# Altium PCB PIR_Sensor.PcbDoc
Units mm, origin at the board's own origin, x right, y up, seen from the top; angles counter-clockwise.
Board outline 56.57 x 57.02 mm, 2 copper layers (Top Layer, Bottom Layer); 69 components, 37 nets, 174 pads, 69 vias.
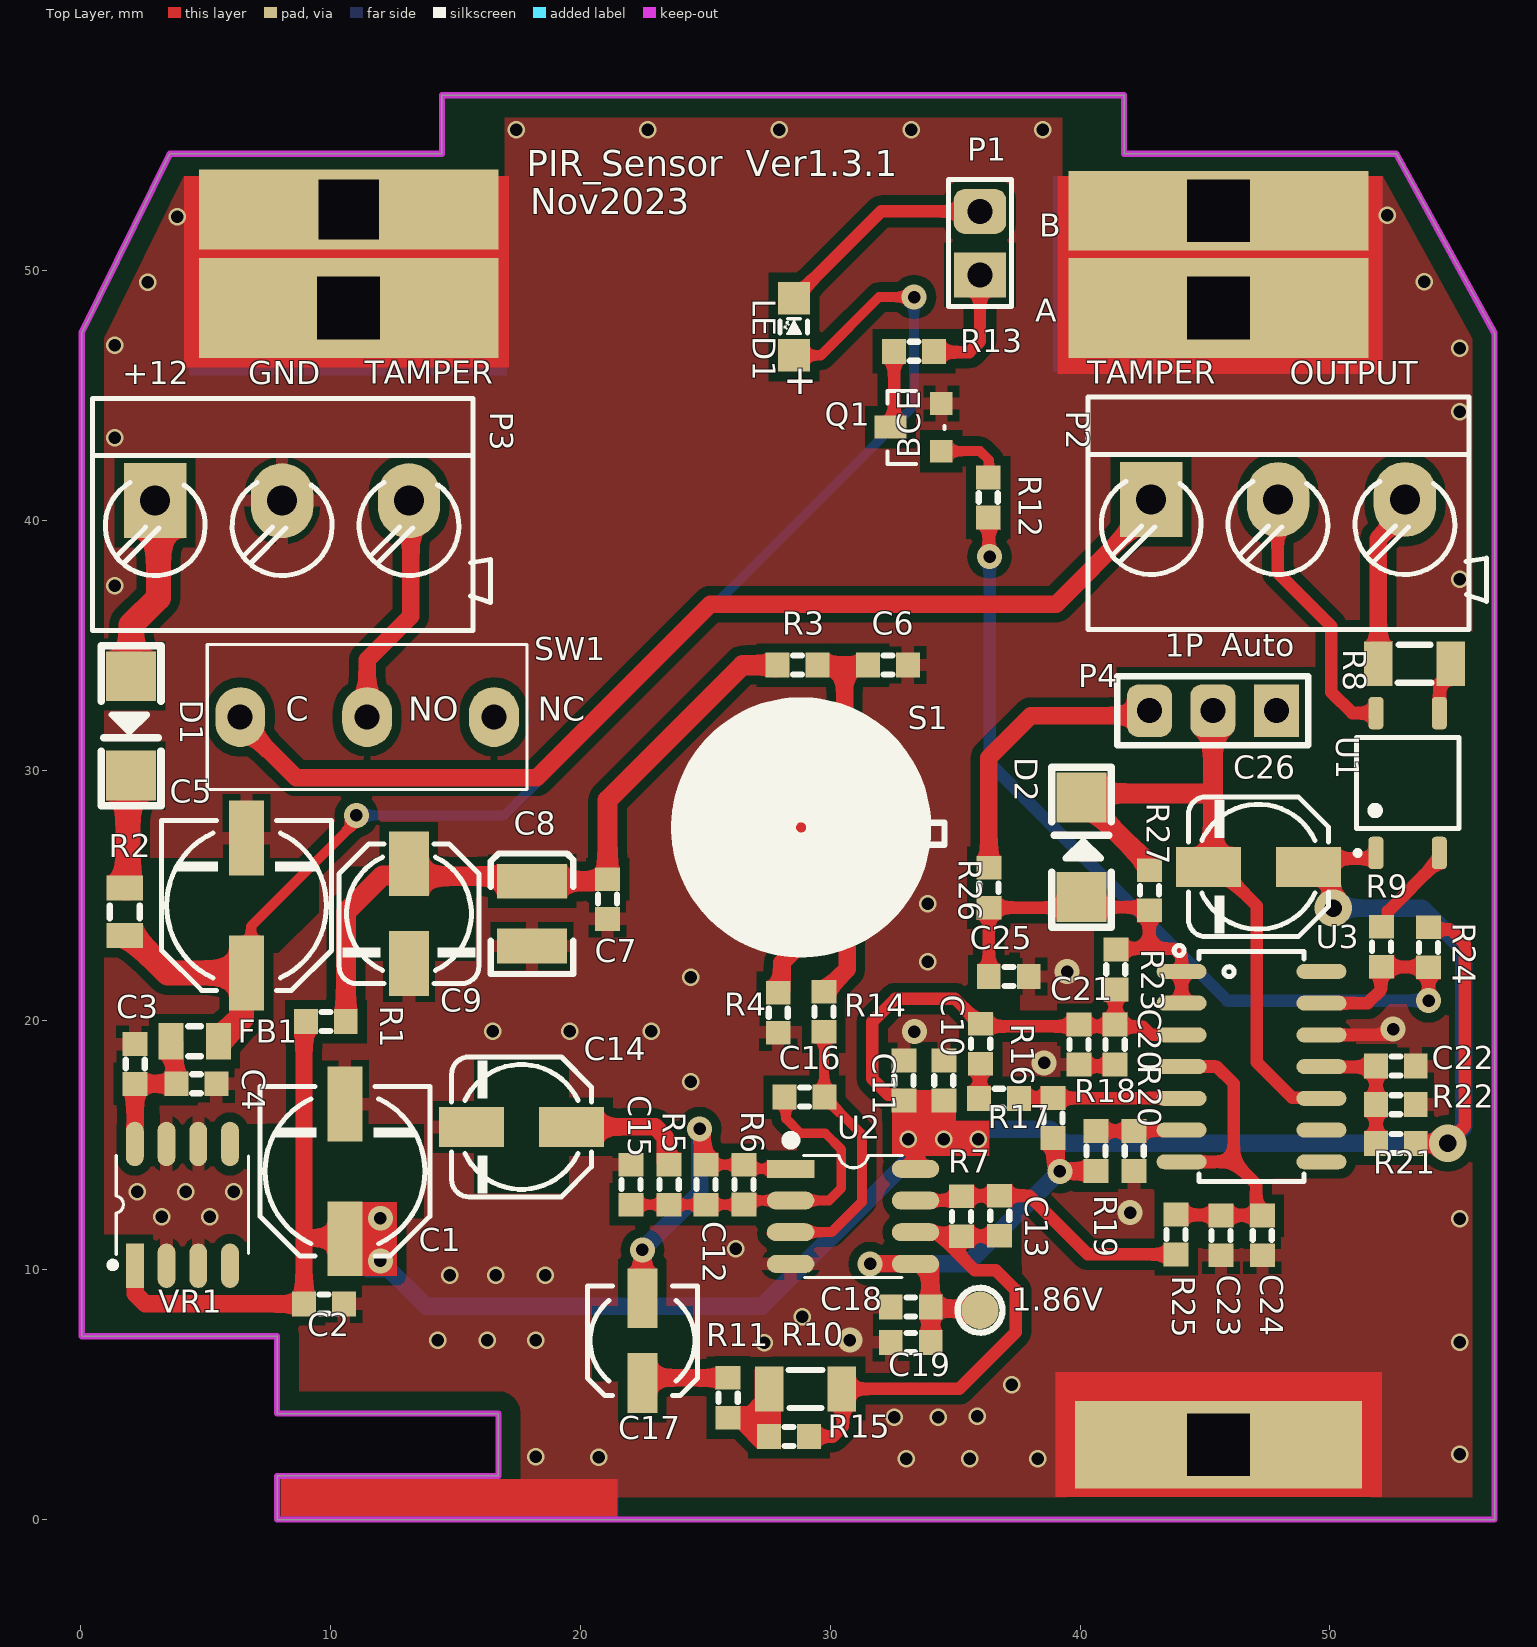
[diagram p0: Top Layer view]
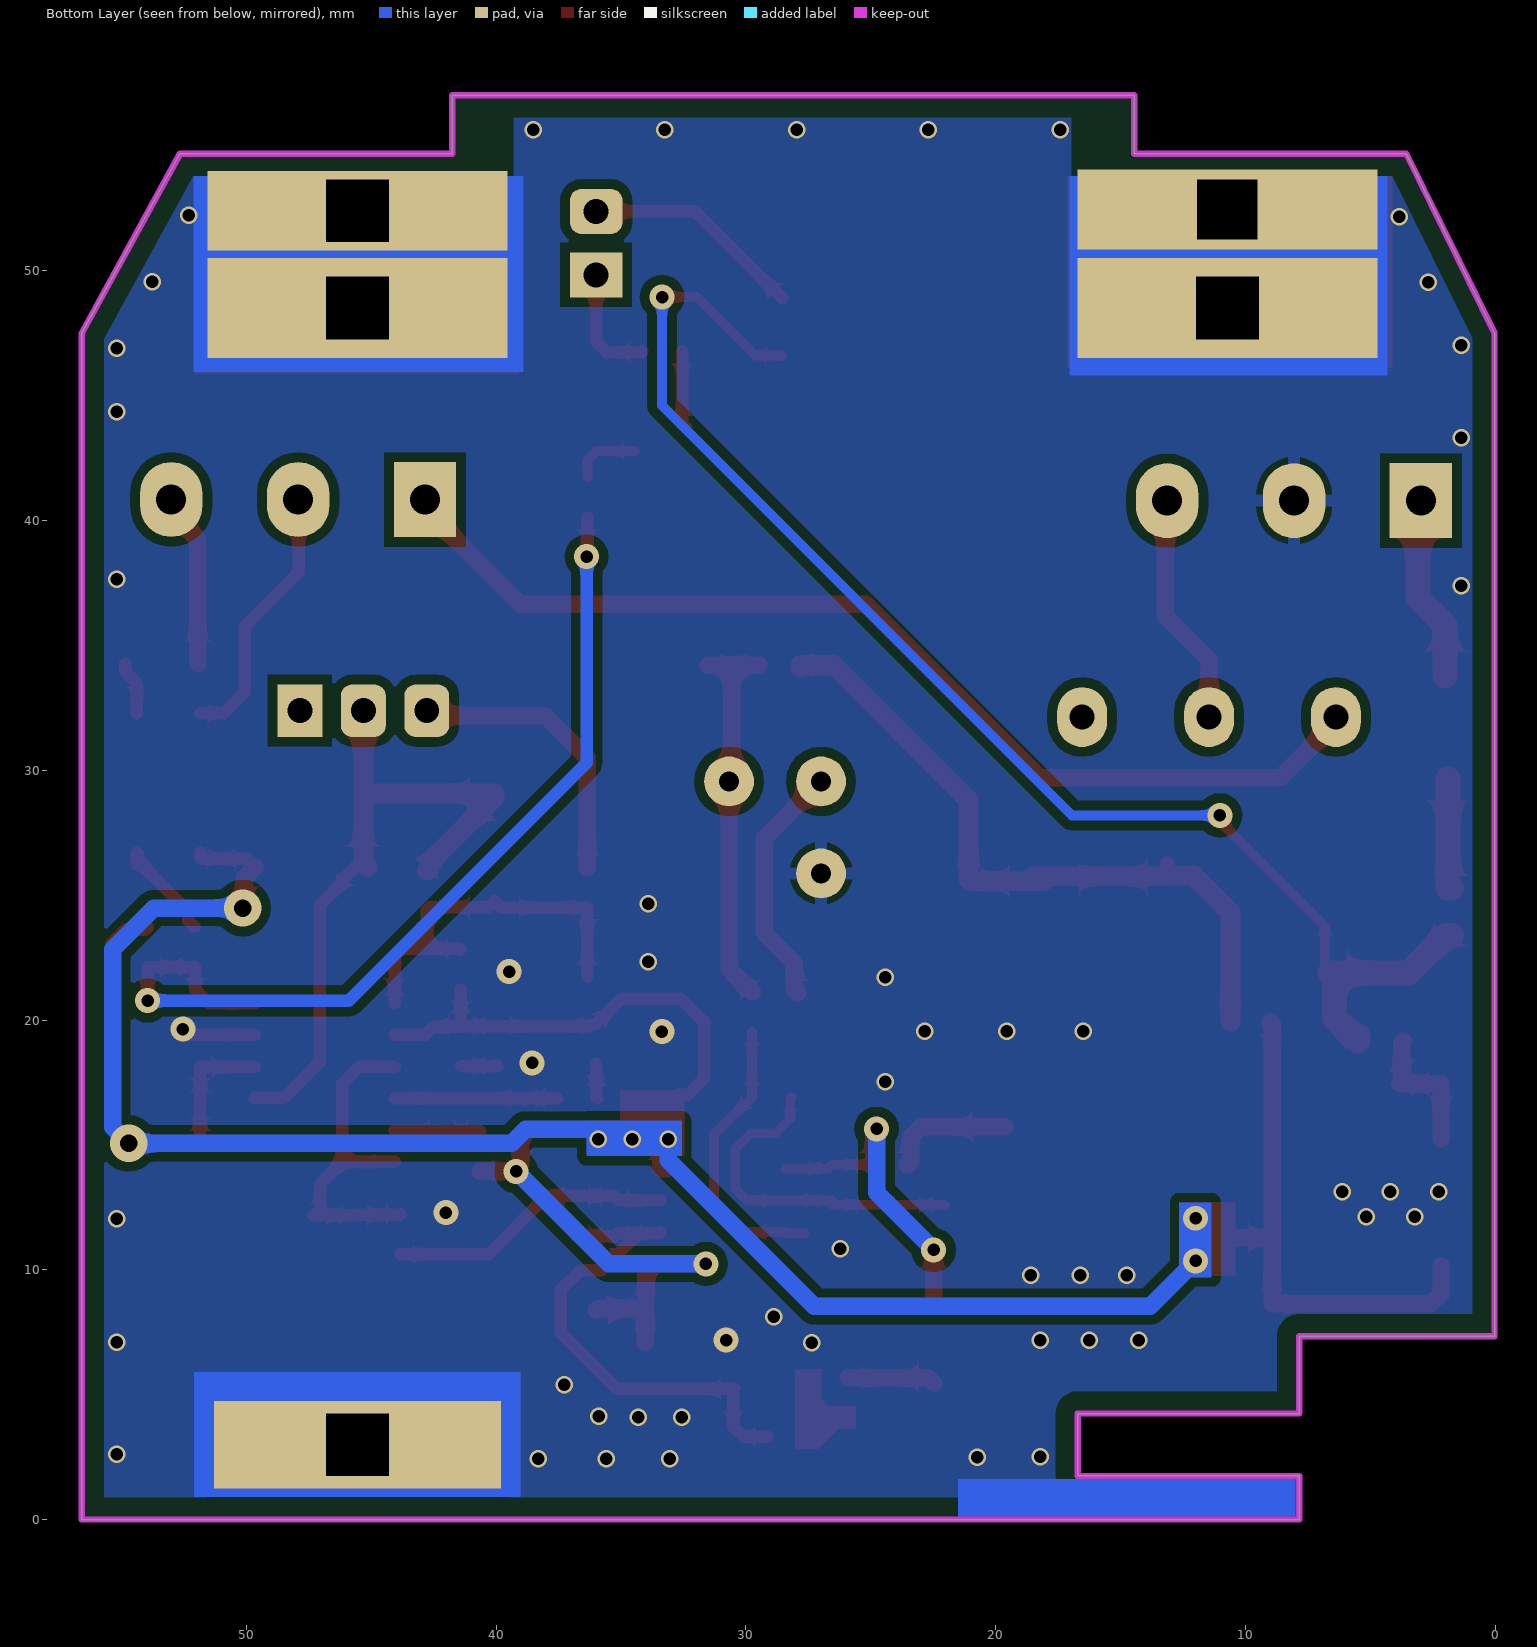
[diagram p1: Bottom Layer view, seen from below]
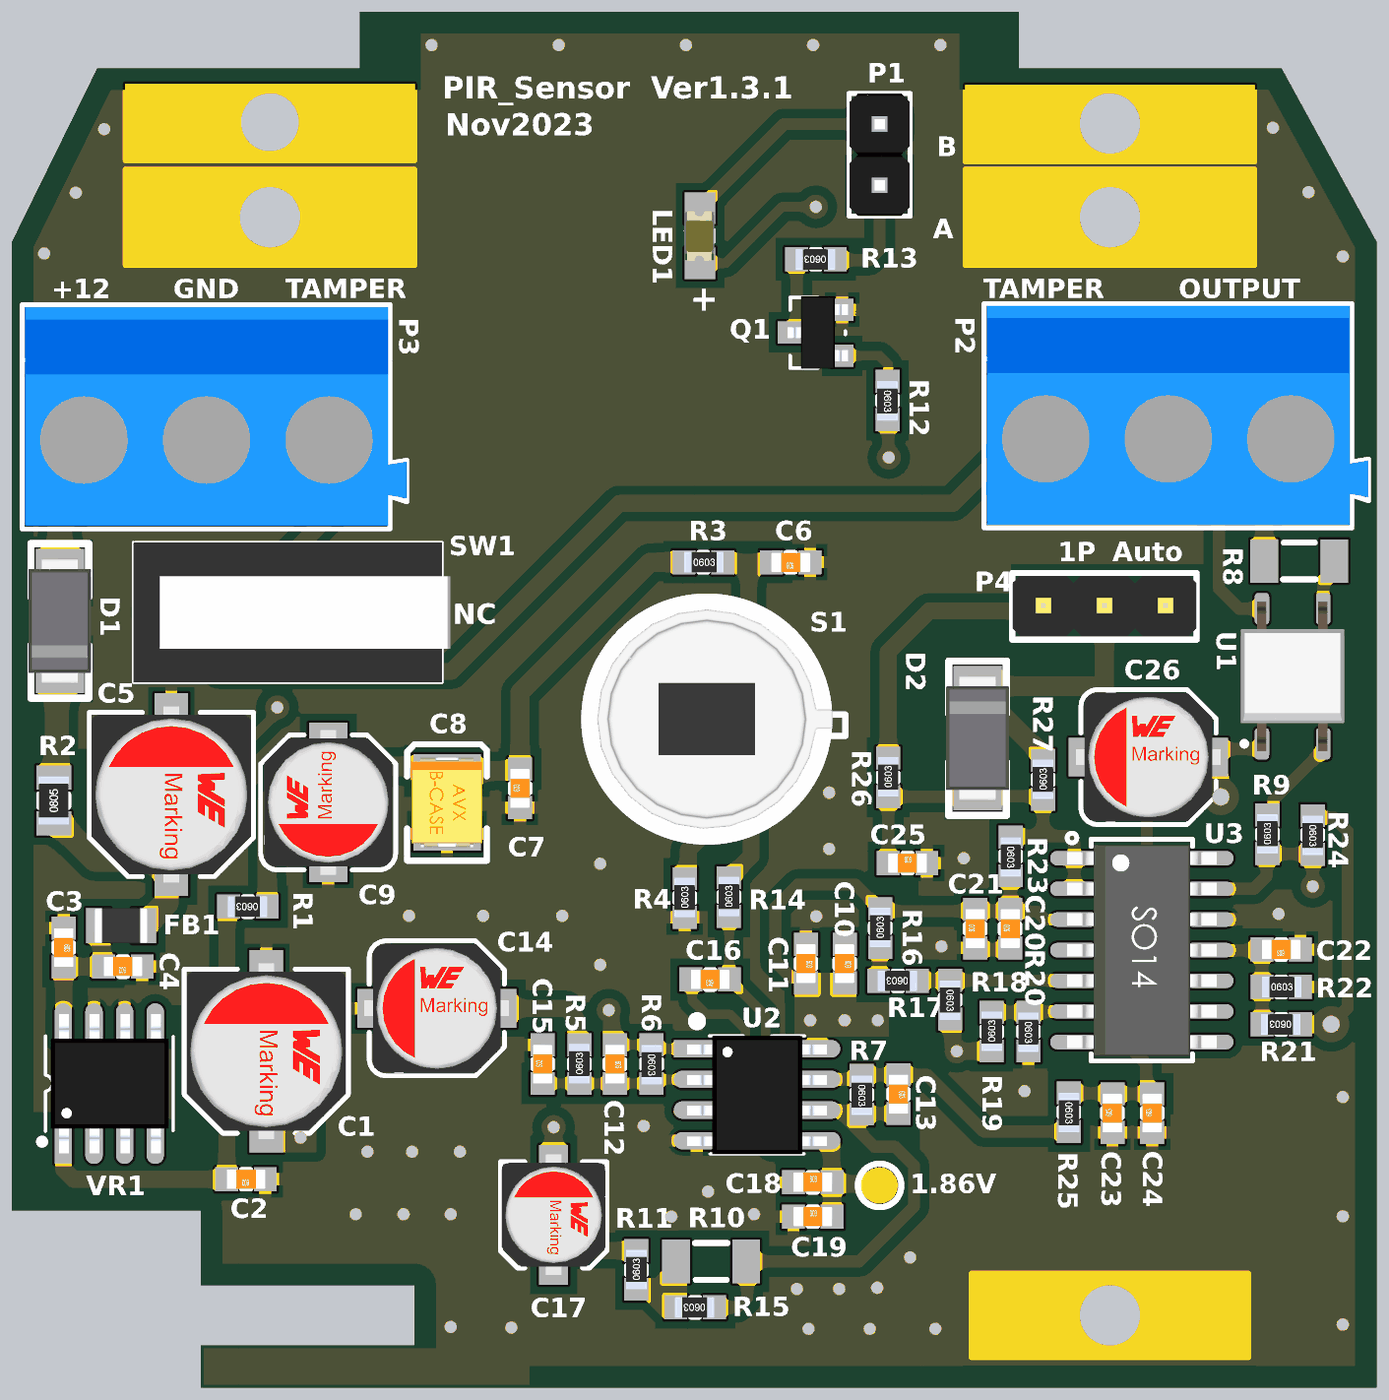
[diagram p2: 3D render of the assembled board from above, using the file's embedded part models]

## Layer stack, top to bottom
Top Solder: solder mask 0.0102, Solder Resist, Dk 3.5
Top Layer: signal copper 0.0356
Dielectric 1: dielectric 0.32, FR-4, Dk 4.8
Bottom Layer: signal copper 0.0356
Bottom Solder: solder mask 0.0102, Solder Resist, Dk 3.5

## Board outline
7.849,0.004 7.849,1.747 16.713,1.747 16.713,4.247 7.849,4.247 7.849,7.341 0.025,7.341 0.025,47.498 3.56,54.686 14.453,54.686 14.453,57.023 41.758,57.023 41.758,54.686 52.654,54.686 56.591,47.498 56.591,0.004

## Design rules (kind name [scope] priority, off if disabled: settings)
Clearance Clearance_1 [OnLayer('Keep-Out Layer')] p1: gap=0.762 ignorepadtopadclearanceinfootprint=FALSE except(0: Arc-Hole Track-Hole SMDPad-Hole THPad-Hole Via-Hole Fill-Hole Poly-Hole Region-Hole Text-Hole)
Clearance Clearance_2 [All] p2: gap=0.254 ignorepadtopadclearanceinfootprint=FALSE except(0: Arc-Hole Track-Hole SMDPad-Hole THPad-Hole Via-Hole Fill-Hole Poly-Hole Region-Hole Text-Hole; 0.381: Arc-Poly Arc-Region Track-Poly Track-Region SMDPad-Poly SMDPad-Region THPad-Poly THPad-Region Via-Poly Via-Region Fill-Poly Fill-Region Poly-Poly Poly-Region Region-Region)
HoleSize [All] p1: absolutevalues=TRUE maxlimit=12 minlimit=0.025 maxpercent=80.000 minpercent=20.000
MinimumSolderMaskSliver [All] p1: minsoldermaskwidth=0
PolygonConnect [All] p1: thpad.connectstyle=Relief thpad.reliefconductorwidth=0.5 thpad.reliefentries=4 thpad.polygonreliefangle="90 Angle" thpad.airgapwidth=0.254 smdpad.connectstyle=Relief smdpad.reliefconductorwidth=0.5 smdpad.reliefentries=4 smdpad.polygonreliefangle="90 Angle" smdpad.airgapwidth=0.254 via.connectstyle=Direct via.reliefconductorwidth=0.254 via.reliefentries=4 via.polygonreliefangle="45 Angle" via.airgapwidth=0.254
RoutingVias [All] p1: holewidth=0.711 width=1.27 viastyle="Through Hole" minholewidth=0.5 minwidth=0.7 maxholewidth=0.711 maxwidth=2.54
ShortCircuit [All] p1: allowed=TRUE
SilkToSilkClearance [All] p1: silktosilkclearance=0
SilkToSolderMaskClearance [IsPad] p1: minsilkscreentomaskgap=0 clearancetoexposedcopper=TRUE
SolderMaskExpansion [All] p1: expansion=0.102 istentingtop=FALSE
Width [All] p1: maxlimit=1 minlimit=0.254 preferedwidth=0.254
25 further rules are at their usual default settings.

## Components (designator, comment, footprint, x,y, rotation, side; value= is the part's Value field where it differs from the comment)
1.86V "TESTPOINT_SMD" TPSMD_C1 35.992,8.382 r90 top net-tie value=VALUE
C1 "100UF_6.3X5.4MM_10V_SMD" CAP_EL_SMD_6X8 10.566,13.945 r90 top value=100UF_10V_5*5.8
C2 "100NF_0603_50V" Cap_0603_Nominal 9.728,8.636 r180 top value=100nF_0603_50V
C3 "220PF_0603_50V" Cap_0603_Nominal 2.168,18.241 r270 top value=100nF_0603_50V
C4 "100NF_0603_50V" Cap_0603_Nominal 4.623,17.45 r180 top value=100nF_0603_50V
C5 "100UF_6.3X7.7MM_25V_SMD" CAP_EL_SMD_6X8 6.629,24.587 r90 top value=100UF_25V_5*5.8
C6 "100PF_0603_50V" Cap_0603_Nominal 32.309,34.214 r180 top
C7 "470PF_0603_50V" Cap_0603_Nominal 21.082,24.841 r90 top
C8 "22UF_1210(B)_16V" Cap_Tantal(3528)_B 18.059,24.257 r90 top value=22UF_16V_B
C9 "22UF_5.0X5.4MM_10V_SMD" CAP_EL_SMD_5 13.132,24.257 r270 top value=22UF_10V_5*5.8
C10 "220PF_0603_50V" Cap_0603_Nominal 34.544,17.577 r270 top value=100PF_0603_50V
C11 "120NF_0603_16V" Cap_0603_Nominal 32.944,17.577 r270 top value=100PF_0603_50V
C12 "33NF_0603_50V" Cap_0603_Nominal 25.019,13.411 r270 top value=100PF_0603_50V
C13 "33NF_0603_50V" Cap_0603_Nominal 36.779,12.167 r270 top value=100PF_0603_50V
C14 "22UF_5.0X5.4MM_10V_SMD" CAP_EL_SMD_5 17.634,15.723 r180 top value=22UF_10V_5*5.8
C15 "100PF_0603_50V" Cap_0603_Nominal 22.022,13.411 r90 top
C16 "100PF_0603_50V" Cap_0603_Nominal 28.969,16.916 r180 top
C17 "10UF_4.0X5.4MM_16V_SMD" CAP_EL_SMD_4 22.479,7.163 r90 top value=22UF_10V_5*5.8
C18 "220PF_0603_50V" Cap_0603_Nominal 33.223,8.509 r0 top value=100PF_0603_50V
C19 "120NF_0603_16V" Cap_0603_Nominal 33.223,7.087 r0 top value=100PF_0603_50V
C20 "220PF_0603_50V" Cap_0603_Nominal 41.402,19.025 r90 top value=100PF_0603_50V
C21 "120NF_0603_16V" Cap_0603_Nominal 39.954,19.025 r90 top value=100PF_0603_50V
C22 "220PF_0603_50V" Cap_0603_Nominal 52.641,18.161 r180 top value=100PF_0603_50V
C23 "10NF_0603_50V" Cap_0603_Nominal 45.644,11.379 r90 top value=100PF_0603_50V
C24 "220PF_0603_50V" Cap_0603_Nominal 47.295,11.379 r90 top value=100PF_0603_50V
C25 "220PF_0603_50V" Cap_0603_Nominal 37.148,21.742 r0 top value=100PF_0603_50V
C26 "22UF_5.0X5.4MM_10V_SMD" CAP_EL_SMD_5 47.136,26.137 r180 top value=22UF_10V_5*5.8
D1 "B350A_SMA" DIODE_SMA 2.007,31.775 r270 top
D2 "B350A_SMA" DIODE_SMA 40.056,26.924 r90 top
FB1 "CBG201209U050_0805" INDUCTOR_0805_Nominal 4.547,19.152 r0 top value=MU1608-221Y
LED1 "RED_0805" LED_0805_NOMINAL 28.52,46.629 r90 top
P1 "CON_HEADER_2.54X11MM_2PIN_MALE" HDR_M_1X2_2.54mm 35.992,51.105 r90 top
P2 "CON_KF301_5.0MM_3PIN" CON_KF301_5MM_3PIN 47.924,40.839 r0 top
P3 "CON_KF301_5.0MM_3PIN" CON_KF301_5MM_3PIN 8.052,40.792 r0 top
P4 "CON_HEADER_2.54X11MM_3PIN_MALE" HDR_M_1X3_2.54mm 45.314,32.385 r180 top value=KF301
Q1 "MMBT3904_SOT23" SOT23_BJT 33.426,43.726 r90 top
R1 "10K_0603" Res_0603_Nominal 9.804,19.939 r180 top value=10k_0603
R2 "0.018K_0805" Res_0805_Nominal 1.753,24.333 r90 top value=18_0603
R3 "10K_0603" Res_0603_Nominal 28.689,34.214 r0 top value=10k_0603
R4 "3.9K_0603" Res_0603_Nominal 27.915,20.295 r90 top
R5 "2.7K_0603" Res_0603_Nominal 23.546,13.411 r90 top value=18_0603
R6 "180K_0603" Res_0603_Nominal 26.543,13.411 r270 top value=18_0603
R7 "2.7M_0603" Res_0603_Nominal 35.255,12.141 r270 top value=18_0603
R8 "0.0051K_1206" Res_1206_NOMINAL 53.391,34.265 r0 top value=18_0603
R9 "1K_0603" Res_0603_Nominal 52.07,22.936 r90 top value=18_0603
R10 "NTC_33K_1206" Res_1206_NOMINAL 29.007,5.232 r180 top value=1K
R11 "3.9K_0603" Res_0603_Nominal 25.908,4.877 r90 top value=18_0603
R12 "22K_0603" Res_0603_Nominal 36.322,40.919 r270 top value=18_0603
R13 "3.3K_0603" Res_0603_Nominal 33.35,46.774 r180 top value=18_0603
R14 "0.499K_0603_1%" Res_0603_Nominal 29.743,20.333 r90 top value=18_0603
R15 "30K_0603" Res_0603_Nominal 28.346,3.327 r180 top value=18_0603
R16 "22K_0603" Res_0603_Nominal 36.017,19.05 r90 top value=18_0603
R17 "22K_0603" Res_0603_Nominal 36.754,16.866 r180 top value=18_0603
R18 "10K_0603" Res_0603_Nominal 38.913,16.078 r270 top value=18_0603
R19 "10K_0603" Res_0603_Nominal 40.64,14.757 r90 top value=18_0603
R20 "22K_0603" Res_0603_Nominal 42.164,14.757 r270 top value=18_0603
R21 "60.4K_0603" Res_0603_Nominal 52.641,15.062 r180 top value=18_0603
R22 "60.4K_0603" Res_0603_Nominal 52.641,16.612 r0 top value=18_0603
R23 "100K_0603" Res_0603_Nominal 41.427,22.022 r270 top value=18_0603
R24 "3.9K_0603" Res_0603_Nominal 53.95,22.911 r270 top value=18_0603
R25 "0.22K_0603" Res_0603_Nominal 43.84,11.417 r270 top value=18_0603
R26 "6.8K_0603" Res_0603_Nominal 36.347,25.298 r90 top value=18_0603
R27 "30K_0603" Res_0603_Nominal 42.774,25.197 r90 top value=18_0603
S1 "RE200BP_TO5" SENSOR_PIR_TO39 28.829,27.711 r270 top
SW1 "KLS7-KW10_12X5.0X6.0MM" SW_KLS7-KW10 11.455,32.131 r0 top
U1 "CPC1017N_SOP4" SOIC254P610X218-4N 53.111,29.489 r90 top
U2 "LM358_SOP8" SOIC8 30.912,12.141 r0 top
U3 "LM339DT_SOP14" SO_14 46.863,18.136 r0 top
VR1 "78L05A_SOP8" SOP8 6.325,10.693 r90 top

## Footprints (in the part's own frame and the unit in brackets; to place one, negate y for a bottom-side part, rotate by r counter-clockwise, add the part's x,y. Pads: shape width x height; smd on the part's side, far side on the other; paste and mask are expansions set on the pad)
Cap_0603_Nominal [mm]
  rect 0.95x1 smd: 1(-0.8,0) 2(0.8,0)
  silkscreen extent -0.17,-0.38 0.17,0.38, body extent -0.8,-0.4 0.8,0.4, height 0.3
CAP_EL_SMD_4 [mm] "Electrolytic Cap, D: 4.3mm, Size B, 5.5mm Height"
  rect 2.4x1.2 smd: 1(-1.7,0) 2(1.7,0)
  Top Layer pour cut-out: 1.397,2.032 1.397,-2.032 -1.651,-2.032 -1.651,2.032
  silkscreen extent -2.2,-2.2 2.2,2.2, body extent -2.5,-2.15 2.5,2.15, height 5.5
CAP_EL_SMD_5 [mm] "Electrolytic Cap, D: 5.0mm, L: 5.8mm, Size C"
  rect 2.6x1.6 smd: 1(-2,0) 2(2,0)
  Top Layer pour cut-out: 1.905,2.667 1.905,-2.7 -1.905,-2.7 -1.905,2.667
  silkscreen extent -2.8,-2.8 2.8,2.8, body extent -3,-2.65 3,2.65
CAP_EL_SMD_6X8 [mm] "Electrolytic Cap, D: 6.3mm L: 7.7mm, Size D"
  rect 3x1.4 smd: 1(-2.7,0) 2(2.7,0)
  Top Layer pour cut-out: 1.905,3.175 1.905,-3.175 -1.905,-3.175 -1.905,3.175
  silkscreen extent -3.4,-3.4 3.4,3.4, body extent -3.65,-3.3 3.65,3.3, height 7.7
Cap_Tantal(3528)_B [mm]
  rect 1.4x2.8 smd: 1(1.3,0) 2(-1.3,0)
  silkscreen extent -2.41,-1.65 2.41,1.65, body extent -1.85,-1.47 1.85,1.46, height 2.03
CON_KF301_5MM_3PIN [mm] "Terminal Block Blue"
  rect 2.5x3 hole 1.2: 1(-5.08,0)
  oval 2.5x3 hole 1.2: 2(0,0) 3(5.08,0)
  silkscreen extent -7.6,-5.2 8.34,4.1, body extent -7.49,-5.07 8.33,4, height 12.78
DIODE_SMA [mm]
  rect 2x2 smd: 1(-1.99,0) 2(1.99,0)
  silkscreen extent -3.21,-1.19 3.19,1.2, body extent -2.6,-1.3 2.6,1.3, height 2.45
HDR_M_1X2_2.54mm [mm]
  rect 1.8x2.1 hole 1: 1(-1.27,0)
  rrect50% 1.8x2.1 hole 1: 2(1.27,0)
  silkscreen extent -2.54,-1.27 2.54,1.27, body extent -2.54,-1.25 2.54,1.25, height 8.55
HDR_M_1X3_2.54mm [mm]
  rect 1.8x2.1 hole 1: 1(-2.54,0)
  rrect50% 1.8x2.1 hole 1: 2(0,0) 3(2.54,0)
  silkscreen extent -3.82,-1.38 3.82,1.38, body extent -3.81,-1.27 3.81,1.22, height 8.59
INDUCTOR_0805_Nominal [mm]
  rect 1x1.45 smd: 1(-0.95,0) 2(0.95,0)
  silkscreen extent -0.25,-0.6 0.25,0.6, body extent -1.1,-0.72 1.1,0.73, height 0.55
LED_0805_NOMINAL [mm]
  rect 1.3x1.27 smd: 1(-0.02,-0.03) 2(2.266,-0.03)
  Top Layer pour cut-out: 0.63,0.595 0.63,-0.655 1.616,-0.655 1.616,0.595
  silkscreen extent 0.84,-0.57 1.45,0.54, body extent 0.09,-0.62 2.11,0.63, height 1.1
Res_0603_Nominal [mm]
  rect 0.95x1 smd: 1(-0.8,0) 2(0.8,0)
  silkscreen extent -0.17,-0.38 0.17,0.38, body extent -0.8,-0.42 0.84,0.43, height 0.26
Res_0805_Nominal [mm]
  rect 1x1.45 smd: 1(-0.95,0) 2(0.95,0)
  silkscreen extent -0.25,-0.6 0.25,0.6, body extent -1,-0.62 1,0.63, height 0.47
Res_1206_NOMINAL [mm]
  rect 1.15x1.8 smd: 1(1.45,0) 2(-1.45,0)
  silkscreen extent -0.67,-0.76 0.67,0.76, body extent -1.6,-0.79 1.6,0.81, height 0.53
SENSOR_PIR_TO39 [mm]
  round 2 hole 0.8 mask+0.102: 1(-1.842,1.841) 2(-1.841,-1.842)
  round 2 hole 0.8: 3(1.842,-1.841)
  silkscreen extent -4.73,-4.47 4.35,5.74, body extent -6.43,-6.43 6.43,6.43, height 4.75
SO_14 [mm] "SOP, SOIC, 3.9mm width, 1.27mm pitch,"
  oval 2x0.6 smd: 1(-2.8,3.81) 2(-2.8,2.54) 3(-2.8,1.27) 4(-2.8,0) 5(-2.8,-1.27) 6(-2.8,-2.54) 7(-2.8,-3.81) 8(2.8,-3.81) 9(2.8,-2.54) 10(2.8,-1.27) 11(2.8,0) 12(2.8,1.27) 13(2.8,2.54) 14(2.8,3.81)
  silkscreen extent -3.09,-4.6 2.1,4.85, body extent -3.1,-4.38 3.1,4.37, height 1.75
SOIC8 [mm]
  rect 1.9x0.72 smd: 1(-2.5,1.905)
  oval 1.9x0.72 smd: 2(-2.5,0.635) 3(-2.5,-0.635) 4(-2.5,-1.905) 5(2.5,-1.905) 6(2.5,-0.635) 7(2.5,0.635) 8(2.5,1.905)
  silkscreen extent -2.51,-2.45 1.98,3.07, body extent -2.89,-2.46 2.89,2.44, height 1.45
SOIC254P610X218-4N [mm]
  rrect50% 1.3x0.6 smd: 1(-2.8,1.27) 2(-2.8,-1.27) 3(2.8,-1.27) 4(2.8,1.27)
  silkscreen extent -2.9,-2.05 1.83,2.1, body extent -3.1,-2.15 3.1,2.15, height 2.18
SOP8 [mm]
  rect 1.78x0.72 smd: 1(-0.53,4.17)
  oval 1.78x0.72 smd: 2(-0.53,2.9) 3(-0.53,1.63) 4(-0.53,0.36) 5(4.347,0.36) 6(4.347,1.63) 7(4.347,2.9) 8(4.347,4.17)
  silkscreen extent -0.62,-0.38 3.88,5.18, body extent -0.98,-0.2 4.8,4.7, height 1.45
SOT23_BJT [mil]
  rect 36x36 smd: 1(-37.5,-40) 2(37.5,-40)
  rect 36x50 smd: 3(0.5,40)
  silkscreen extent -57,-45 58,45, body extent -59,-49 59,49, height 42
SW_KLS7-KW10 [mm]
  oval 2x2.4 hole 1: 1(-5.08,0) 2(5.08,0) 3(0,0)
  silkscreen extent -6.4,-2.9 6.4,2.9, body extent -6.4,-2.9 6.73,2.9, height 11.52
TPSMD_C1 [mm] "Test Point, SMD Pad, Circle, 1mm X 1mm"
  round 1.5 smd paste-1.016 mask+0.025: 1(0,0)
  silkscreen extent -0.9,-0.9 0.9,0.9

## Part data
1.86V: "TEST POINT", MANF=MANF, MANF_P#=MANF_P#
C1 C5 C9 C14 C17 C26: library part Cap_Electrical
C2 C3 C4 C6 C7 C10 C11 C12 C13 C15 C16 C18 C19 C20 C21 C22 C23 C24 C25: library part Cap, "0603"
  C2 C4: Component ID=000400
  C7: Component ID=002055
  C23: Component ID=002440
C8: library part Cap_Electrical, "Tant"
D1 D2: library part Diode, "B350A"
FB1: library part "FERRITE BEAD"
LED1: library part LED, Component ID=000517
P1: library part "Header 2", "Header, 2-Pin", LatestRevisionDate=17-Jul-2002, LatestRevisionNote="Re-released for DXP Platform.", Publisher="Altium Limited"
P2 P3: library part Con_3PIN
P4: library part "Header 3", "Header,3-Pin", LatestRevisionDate=17-Jul-2002, LatestRevisionNote="Re-released for DXP Platform.", Publisher="Altium Limited"
Q1: library part MMBT3904, Component ID=000489
R1 R3 R4 R5 R6 R7 R8 R9 R11 R12 R13 R14 R15 R16 R17 R18 R19 R20 R21 R22 R23 R24 R25 R26 R27: library part RES, "0603", size=0603
  R1 R3 R18 R19: Component ID=000091
  R5: Component ID=000150
  R9: Component ID=000095
  R12 R16 R17 R20: Component ID=000110
  R13: Component ID=000154
  R15: Component ID=000153
  R23: Component ID=003179
  R25: Component ID=000140
R2: library part RES, "0805", size=0805
R10: library part "Res Adj1", "Variable Resistor", LatestRevisionDate=17-Jul-2002, LatestRevisionNote="Re-released for DXP Platform.", PackageDescription="Axial Device, Thru-Hole; 2 Leads; 0.7 in Pin Spacing", PackageReference=AXIAL-0.7, Published=8-Jun-2000, Publisher="Altium Limited", Set Position=0.5
S1: library part PIR_Sensor, Component ID=000635
SW1: library part "Micro switch", "SWITCH SNAP ACTION SPDT 2A 125V", Package=None, Availability=Unavailable, MF=E-Switch, MP=MS0850502F030P1A, PRICE=None, SnapEDA_Link=https://www.snapeda.com/parts/MS0850502F030P1A/E-Switch/view-part/1129959/?ref=snap
U1: library part CPC1017N, "Solid State SPST-NO _1 Form A_ 4-SOP _0.150, 3.81mm_", Package="SOP-4 IXYS", Availability=Unavailable, MF="IXYS Integrated", MP=CPC1017N, PRICE=None, SnapEDA_Link=https://www.snapeda.com/parts/CPC1017N/IXYS%20Integrated%20Circuits%20Division/view-part/345722/?ref=snap
U2: library part LM358, Component ID=001792, LM358=001792
U3: library part LM339DT, "LM339 Series Quad 32 V 250 nA SMT Low Power Voltage Comparator - SOIC-14", Package="SOIC-14 STMicroelectronics", Availability=Unavailable, Component ID=001788, MF=STMicroelectronics, MP=LM339DT, PRICE=None, SnapEDA_Link=https://www.snapeda.com/parts/LM339DT/STMicroelectronics/view-part/11706/?ref=snap
VR1: library part 78L05A, Component ID=001298

## Free pads (board coordinates)
  rect 12x4 hole 2.5 square: 0(10.719,48.514) 0(45.542,48.514)
  rect 12x3.2 hole 2.4 square: 0(10.719,52.451)
  rect 11.5x3.5 hole 2.5 square: 0(45.542,2.997)
  rect 12x3.2 hole 2.5 square: 0(45.542,52.4)

## Via types
v1: diameter 0.7, hole 0.5, Top Layer to Bottom Layer, tented both sides, 51 vias
v2: diameter 1, hole 0.5, Top Layer to Bottom Layer, tented both sides, 16 vias
v3: diameter 1.5, hole 0.7, Top Layer to Bottom Layer, tented both sides, 2 vias

## Nets (pads, with @x,y where several pads share a name; then routed paths per layer and width w, separated by ;. In a path a pad name is that pad's centre, name@x,y a point inside that pad or via, vN(x,y) a via of type N, cw(c..) or ccw(c..) an arc to the next point about the centre after c; other vN are vias at no path point)
1.28V: R19.2 R20.1 U3.6 | length 3.5
  Top Layer w0.5: R19.2@40.627,15.545 R19.2 R20.1 42.183,15.577 44.044,15.577 U3.6
2.44V: R17.1 R18.1 U3.5 | length 6.6
  Top Layer w0.5: R17.1 37.56,16.872 38.907,16.872 R18.1 38.919,16.872 44.057,16.872 U3.5 ; R18.1@38.862,16.815 R18.1@38.887,16.84
12V: D1.1 P3.1 | length 7.5
  Top Layer w1: D1.1 2.007,35.814 3.099,36.906 3.099,40.665 P3.1
D_PIR: C6.2 R3.2 R14.2 S1.1 | length 15.5
  Top Layer w0.7: R3.2 30.57,34.214 ; R14.2 29.868,21.258 29.893,21.258 30.671,22.035 S1.1 30.57,29.653 30.57,34.214 ; C6.2 30.57,34.214
GND: C1.2 C2.1 C3.1 C4.1 C5.2 C6.1 C7.1 C8.2 C9.2 C10.1 C11.1 C14.2 C15.2 C18.1 C19.1 C20.1 C21.1 C22.1 C23.1 C24.1 C25.2 P3.2 pad.0 Q1.2 R4.1 R20.2 R22.2 S1.3 U2.4 U3.12 VR1.2 VR1.3 VR1.6 VR1.7 | length 4.8
  Top Layer w0.5: C21.1@39.954,18.148 41.389,18.148 41.396,18.155 C20.1@41.402,18.148 ; C21.1@39.967,18.212 C21.1@39.973,18.218 ; U3.12 52.165,19.406 52.398,19.639 v2(52.533,19.639)
  Top Layer w1: P3.2@7.823,40.792 P3.2@8.103,40.513
  other v1: 33.045,2.438 35.585,2.438 38.303,2.438 20.726,2.489 18.212,2.515 55.194,2.616 32.563,4.089 34.315,4.089 35.89,4.14 37.26,5.396 27.356,7.087 55.194,7.102 14.275,7.188 16.256,7.188 18.212,7.188 28.88,8.128 14.757,9.779 16.612,9.779 18.593,9.779 26.213,10.846 55.194,12.046 3.226,12.116 5.156,12.116 2.261,13.132 4.191,13.132 6.121,13.132 24.409,17.526 16.485,19.558 19.558,19.558 22.835,19.558 24.409,21.717 33.901,22.33 33.901,24.663 1.357,37.389 55.194,37.654 1.357,43.306 55.194,44.348 55.194,46.888 1.357,47.015 2.671,49.53 53.772,49.555 3.848,52.168 52.299,52.222 17.416,55.651 22.69,55.651 27.963,55.651 33.237,55.651 38.51,55.651
  other v2: 30.785,7.188 42.004,12.288 38.557,18.288 33.363,19.535 39.48,21.938
NEG4: C26.2 D2.2 P4.2 R27.2 U3.10 | length 27.4
  Top Layer w0.5: C26.2@45.514,26.137 45.636,26.137 46.186,25.587 46.186,25.465 47.066,24.584 47.066,18.313 48.495,16.885 49.644,16.885 U3.10
  Top Layer w0.8: D2.2 42.674,26.296 42.674,26.072 42.749,25.997 R27.2 ; D2.2@40.056,29.074 45.176,29.074 45.314,28.937 ; C26.2 45.314,26.314 45.314,28.937 ; P4.2 45.314,28.937
NetC3_2: C3.2 C4.2 FB1.1 VR1.8 | length 5.7
  Top Layer w0.7: VR1.8@2.155,15.243 2.155,15.779 2.168,15.793 C3.2 2.177,17.45 C4.2 3.748,17.525 3.748,19.077 3.673,19.152 FB1.1@3.673,19.177
NetC7_2: C7.2 C8.1 C9.1 R1.1 R3.1 | length 28.9
  Top Layer w0.6: C9.1@13.132,26.156 C9.1
  Top Layer w0.8: R1.1 10.604,24.32 12.065,25.781 C9.1@13.316,25.781 ; C9.1@13.081,25.757 18.52,25.757 C8.1@18.597,25.679 ; C8.1 20.973,25.557 21.057,25.641 C7.2 21.082,28.804 26.492,34.214 27.814,34.214 R3.1@27.814,34.114 ; C8.1@18.389,25.633 18.436,25.679 C8.1@18.597,25.679 ; C8.1@18.643,25.633 C8.1@18.597,25.679
NetC12_1: C12.1 C17.2 R6.1 U2.1 | length 12.7
  Top Layer w0.381: C12.1 R6.1 26.708,14.046 U2.1
  Top Layer w0.7: C17.2 v2(22.479,10.795) ; v2(24.765,15.646) 24.765,15.565 24.869,15.461 24.869,14.336 24.994,14.211 C12.1
  Bottom Layer w0.7: v2(22.479,10.795) 24.765,13.081 v2(24.765,15.646)
NetC12_2: C12.2 C15.1 C16.2 R5.1 R6.2 U2.2 | length 13.8
  Top Layer w0.381: C15.1 R5.1 C12.2 R6.2 ; R6.2@26.543,12.776 U2.2 29.947,12.776 30.429,13.259 30.429,14.834 29.794,15.469 28.804,15.469 28.219,16.053 28.219,16.866 C16.2
NetC13_2: C13.2 R7.2 R10.2 R15.1 U2.6 | length 20.1
  Top Layer w0.5: R15.1 30.099,3.327 30.505,3.734 30.505,5.184 R10.2 35.154,5.232 37.414,7.493 37.414,9.195 36.627,9.982 35.789,9.982 U2.6@34.307,11.464 ; U2.6 33.454,11.464 U2.6@34.307,11.464 ; R7.2@35.325,11.309 R7.2@35.331,11.316 ; C13.2 36.767,11.354 35.268,11.354 R7.2 35.132,11.464 U2.6@34.307,11.464
NetC14_1: C14.1 R5.2 | length 5.1
  Top Layer w0.7: C14.1 22.986,15.723 23.396,15.313 23.396,14.336 23.521,14.211 R5.2
NetC16_1: C16.1 R14.1 U2.3 | length 11.6
  Top Layer w0.4: U2.3@27.65,11.445 28.351,11.445 U2.3 30.048,11.506 31.267,12.725 31.267,15.418 30.069,16.616 30.044,16.616 29.771,16.889 29.771,16.914 29.756,16.929 29.756,19.52 R14.1
NetC17_1: C17.1 R11.2 | length 3.5
  Top Layer w0.7: C17.1 22.693,5.677 R11.2
NetC23_2: C23.2 C24.2 R25.1 U3.4 U3.7 | length 13.7
  Top Layer w0.5: R25.1 43.859,12.198 45.625,12.198 C23.2 47.045,12.179 C24.2@47.27,12.179 ; U3.7 46.152,14.326 ; U3.4 45.466,18.136 46.152,17.45 46.152,14.326 ; C24.2 C24.2@47.27,12.179 ; 46.152,14.326 47.045,13.433 47.045,12.404 C24.2@47.27,12.179
NetD1_2: D1.2 R2.2 | length 4.7
  Top Layer w0.7: D1.2@1.88,29.659 D1.2
  Top Layer w1: R2.2 1.88,25.283 D1.2@1.88,29.659
NetLED1_2: LED1.2 P1.2 | length 8.9
  Top Layer w0.5: LED1.2 28.55,48.91 28.935,49.295 28.95,49.295 32.029,52.375 P1.2
NetP1_1: P1.1 R13.1 | length 4.7
  Top Layer w0.5: R13.1 34.188,46.736 35.56,46.736 35.992,47.168 P1.1
NetP3_3: P3.3 SW1.3 | length 9.4
  Top Layer w0.7: SW1.3 11.455,34.417 13.208,36.17 13.208,40.716 P3.3
NetP4_3: P4.3 R26.2 | length 11.6
  Top Layer w0.7: R26.2 36.347,30.505 38.033,32.191 42.58,32.191 P4.3
NetQ1_1: Q1.1 R12.1 | length 2.8
  Top Layer w0.4: Q1.1 35.992,42.774 36.347,42.418 36.347,41.745 R12.1
NetQ1_3: Q1.3 R13.2 | length 3.1
  Top Layer w0.5: Q1.3 32.55,43.879 R13.2
NetR4_2: R4.2 S1.2 | length 10
  Top Layer w0.7: S1.2 29.261,27.28 29.261,23.495 28.065,22.299 28.065,21.22 27.94,21.095 R4.2
NetR8_1: R8.1 U1.3 | length 2.2
  Top Layer w0.5: U1.3 54.381,33.48 54.841,33.94 R8.1
NetR9_2: R9.2 U1.2 | length 4
  Top Layer w0.5: R9.2 52.095,23.736 52.32,23.961 52.32,24.355 54.255,26.289 54.331,26.289 54.381,26.339 U1.2
NetR10_1: R10.1 R11.1 R15.2
NetR16_1: R16.1 R17.2 | length 1.4
  Top Layer w0.5: R17.2 35.985,16.897 35.985,18.218 R16.1
OUT_AMP: C13.1 R7.1 R25.2 U2.7 | length 11.4
  Top Layer w0.5: U2.7 35.09,12.776 R7.1 ; R7.1@35.281,12.967 37.96,12.967 40.31,10.617 R25.2
OUT_COMPARATOR: R9.1 R12.2 R24.2 U3.13 | length 38.1
  Top Layer w0.5: R12.2 36.347,40.094 36.347,38.583 v2(36.373,38.557) ; U3.13 51.511,20.676 52.04,21.204 52.04,22.106 R9.1 52.083,22.123 53.937,22.123 R24.2 v2(53.95,20.777)
  Bottom Layer w0.5: v2(36.373,38.557) 36.373,30.295 45.891,20.777 v2(53.95,20.777)
OUTPUT1: P2.3 R8.2 | length 7
  Top Layer w0.7: R8.2 51.941,39.278 53.111,40.449 P2.3@53.111,40.792
OUTPUT2: P2.2 U1.4 | length 10.7
  Top Layer w0.5: P2.2@47.907,40.821 47.907,37.919 50.063,35.763 50.063,33.122 50.896,32.289 U1.4
TAMP1: P2.1 SW1.1 | length 42.4
  Top Layer w0.7: SW1.1 6.375,31.931 8.614,29.693 18.237,29.693 25.197,36.652 39.04,36.652 42.03,39.642 42.051,39.642 42.951,40.542 P2.1@42.951,40.792
VCC: C1.1 C2.2 C10.2 C11.2 C20.2 C21.2 C26.1 R1.2 R16.2 R21.1 R23.2 R24.1 U1.1 U2.8 U3.3 VR1.1 | length 117.9
  Top Layer w0.5: C11.2@32.906,16.739 C11.2 ; C10.2 C11.2 ; R16.2 35.992,19.85 34.989,20.853 32.602,20.853 31.674,19.926 31.674,17.653 32.325,17.002 32.719,17.002 C11.2 ; R16.2@36.195,19.82 36.267,19.748 41.402,19.748 41.415,19.761 41.415,21.209 R23.2 ; C20.2@41.424,19.727 42.515,19.727 42.836,19.406 U3.3 ; C26.1@49.636,26.137 49.966,26.467 51.791,26.467 51.841,26.517 U1.1 ; R21.1@53.44,15.061 54.71,15.061 v3(54.712,15.062) 55.397,15.748 55.397,23.063 54.839,23.622 54.038,23.622 R24.1 R24.1@53.988,23.749
  Top Layer w0.7: VR1.1 2.165,10.153 2.165,9.046 2.575,8.636 8.826,8.636 C2.2 8.928,19.863 R1.2 ; 9.071,11.278 10.549,11.278 11.43,11.278 ; C1.1@10.549,11.227 C1.1 ; v1(33.114,15.227) 33.412,14.929 U2.8 33.179,14.046 U2.8@33.17,14.055 ; C26.1@49.636,26.137 50.086,25.687 50.086,24.539 v3(50.14,24.486)
  Bottom Layer w0.7: v2(11.989,10.363) 13.818,8.534 27.254,8.534 33.114,14.394 v1(33.114,15.227) ; v2(11.989,12.065) v2@12.274,12.35 ; v1(35.916,15.227) 35.916,15.26 36.277,15.621 38.811,15.621 39.37,15.062 v3(54.712,15.062) 55.352,15.703 55.352,22.829 53.696,24.486 v3(50.14,24.486)
  other v1: 34.542,15.227
VDD: C5.1 FB1.2 LED1.1 R2.1 | length 56.2
  Top Layer w0.4: C5.1 6.811,22.069 6.811,23.753 10.909,27.851 10.909,28.079 v2(11.024,28.194) ; LED1.1@28.524,46.584 LED1.1 29.616,46.609 31.953,48.946 v2(33.35,48.946)
  Top Layer w1: R2.1 1.978,23.383 3.474,21.887 C5.1 6.429,21.687 6.429,20.084 5.722,19.377 5.497,19.377 FB1.2
  Bottom Layer w0.4: v2(11.024,28.194) 16.942,28.194 33.35,44.602 v2(33.35,48.946)
VREF: C22.2 R21.2 R22.1 U3.11 | length 5.2
  Top Layer w0.5: U3.11 49.676,18.123 51.829,18.123 51.841,18.11 R22.1 51.854,16.599 51.854,15.126 R21.2@51.867,15.113
VREF2: 1.86V.1 C18.2 C19.2 R18.2 R19.1 U2.5 | length 19.6
  Top Layer w0.7: v2(31.598,10.236) 33.995,10.236 34.004,10.227 34.004,8.528 C18.2 ; C19.2 C18.2 ; 1.86V.1 35.928,8.445 34.087,8.445 C18.2 ; R18.2@38.915,15.276 39.026,15.165 39.026,14.192 39.188,14.03 v2@39.188,13.941 ; v2@39.201,13.945 39.203,13.947 R19.1@40.63,13.947
  Bottom Layer w0.7: v2(31.598,10.236) 35.484,10.236 v2(39.192,13.945)
WINDOW: C25.1 D2.1 R23.1 R26.1 R27.1 U3.1 U3.2 | length 15.7
  Top Layer w0.5: C25.1 R26.1 39.78,24.498 40.056,24.774 40.312,24.518 42.652,24.518 R27.1 42.768,24.391 42.768,22.86 ; R23.1 41.466,22.86 42.768,22.86 ; U3.2 U3.1 44.063,22.567 43.77,22.86 42.768,22.86
pads on no net: P4.1 SW1.2 U3.8 U3.9 U3.14 VR1.4 VR1.5

## Polygon pours and split planes (outlines as drawn)
GND on Top Layer "Top Layer-No Net" (solid, remove dead copper, pour order 2): 0.025,47.498 3.56,54.686 14.414,54.686 14.427,57.048 41.758,57.048 41.758,54.712 52.603,54.686 56.591,47.498 56.565,0.029 7.849,0.004 7.849,7.341 6.706,7.341 0.025,7.341
GND on Bottom Layer "Top Layer-No Net" (solid, remove dead copper, pour order 4): -0.013,47.625 3.56,54.656 14.443,54.686 14.448,57.019 41.74,57.041 41.785,54.698 52.61,54.698 56.591,47.498 56.591,0.004 7.896,0.004 7.849,7.341 0.051,7.341

## Keep-outs
Keep-Out Layer:
  the board outline again, w0.254

## Other copper
Top Layer:
  rectangle net GND: 7.978,0.127 21.488,1.626
  rectangle net GND: 39.101,45.872 52.101,53.797
  rectangle net GND: 4.118,46.126 17.145,53.79
  rectangle net VCC: 32.461,14.554 35.035,17.196
  rectangle net VCC: 32.563,14.554 36.373,15.977
  rectangle net GND: 39.014,0.914 52.095,5.918
  rectangle net VCC: 10.389,9.754 12.649,12.725
  pour cut-out: 3.454,26.492 2.739,26.492 2.68,26.433 2.68,26.123 3.443,26.123 3.457,26.109
  pour cut-out: 4.478,20.258 4.616,20.258 4.616,20.062 4.624,20.054 4.463,20.054
  pour cut-out: 39.289,56.439 39.289,53.797 52.451,53.797 52.451,54.051 41.3,54.051 41.25,54.102 41.25,56.439
  pour cut-out: 1.414,11.434 0.893,11.434 0.889,11.43 0.914,11.405 0.914,7.95 1.854,7.95 2.007,8.103 1.957,8.152 1.957,8.636 1.589,9.004 1.589,9.382
  pour cut-out: 6.65,15.85 6.656,15.844 7.393,15.844 7.393,10.568 7.366,10.541 7.255,10.652 6.706,10.652
  pour cut-out: 3.156,16.039 3.156,16.557 3.156,16.579 3.156,16.61 2.773,16.61 2.773,16.11 2.837,16.046
  pour cut-out: 6.263,26.936 6.265,26.938 6.728,26.938 6.728,26.443 6.666,26.381 6.658,26.39 6.268,26.39
  pour cut-out: 30.345,35.095 30.653,35.095 30.657,35.091 30.657,34.897 30.333,34.897 30.332,34.898
  pour cut-out: 28.669,19.745 28.905,19.745 28.905,20.285 28.915,20.295 28.826,20.383 28.652,20.383
  pour cut-out: 51.664,31.521 52.249,31.521 52.756,32.028 52.756,35.552 53.927,35.552 53.927,33.058 53.927,31.451 55.343,31.451 55.413,31.522 55.47,31.465 55.47,30.676 51.672,30.676 51.658,30.662
  pour cut-out: 48.935,34.138 49.654,34.138 49.698,32.427 49.692,32.421 49.654,32.459 48.935,32.459
  pour cut-out: 47.701,19.685 48.77,19.685 48.793,19.708 48.799,19.702 48.799,19.154 47.71,19.154 47.694,19.169
  pour cut-out: 50.541,22.609 51.26,22.609 51.283,22.631 51.283,21.107 50.832,21.107 50.757,21.182 50.757,22.013
  pour cut-out: 46.609,17.729 46.609,14.57 47.529,13.65 47.529,13.644 48.832,13.644 48.838,13.65 48.633,13.856 48.633,16.263 46.985,17.911 46.714,17.911
  pour cut-out: 42.959,13.073 42.959,13.227 42.961,13.229 42.959,13.23 42.917,13.23 42.917,13.729 42.911,13.735 42.914,13.738 46.206,13.738 46.406,13.538 46.401,13.534 46.401,13.035
  pour cut-out: 41.598,33.695 41.788,33.65 41.735,32.684 41.375,32.684 41.454,33.641
  pour cut-out: 35.006,47.655 35.481,47.656 35.465,47.34 35.006,47.34
  pour cut-out: 36.982,10.77 37.129,10.113 37.679,9.709 37.65,10.715
  pour cut-out: 46.101,31.025 46.69,31.03 46.672,31.612
  pour cut-out: 17.094,1.803 17.61,1.854 17.61,2.946 17.145,2.54
  pour cut-out: 52.4,21.463 52.393,20.637 53.245,20.642 53.288,21.484
  pour cut-out: 50.658,36.009 51.206,36.017 51.232,33.096 50.673,33.045 50.622,33.147
  pour cut-out: 27.534,48.133 27.534,47.64 29.566,47.562 29.566,47.864
  pour cut-out: 50.571,25.908 50.851,24.994 51.333,24.181 52.051,24.7 53.937,26.756 52.327,26.756 52.301,25.876
  pour cut-out: 33.157,6.375 33.157,5.639 34.925,5.639 36.449,7.163 36.449,7.341 36.322,7.468 35.611,7.468 35.255,7.823 34.752,7.819 34.725,6.376
  pour cut-out: 14.199,53.619 16.967,53.619 16.967,56.49 14.834,56.49 14.834,54.204 14.275,54.204 14.199,54.28
  pour cut-out: 28.194,30.249 29.464,30.249 30.099,29.615 30.099,27.483 29.642,27.483 28.199,28.925 28.199,29.207
  pour cut-out: 37.136,22.655 37.186,22.705 37.607,22.705 37.607,20.407 37.617,20.396 36.144,20.396 36.144,21.006 36.308,21.169 37.097,21.169
  pour cut-out: 44.715,10.863 46.788,10.863 46.786,10.866 46.786,11.291 44.715,11.291
  pour cut-out: 47.777,19.152 51.039,19.152 51.053,19.165 51.053,18.563 47.9,18.563 47.777,18.44
  pour cut-out: 41.443,33.578 41.514,33.649 49.143,33.649 49.143,34.08 49.06,34.163 49.035,34.138 41.44,34.138
  region net NetR10_1: 25.597,4.547 26.67,4.547 26.975,4.851 26.975,6.02 28.016,6.02 28.016,2.819 27.991,2.845 27.076,2.845 26.289,3.632 25.597,3.632
  pour cut-out: 27.635,6.528 27.635,6.246 29.847,6.246 29.847,6.508 29.859,6.52
Bottom Layer:
  rectangle net GND: 7.985,0.127 21.514,1.626
  rectangle net GND: 39.014,0.914 52.095,5.918
  rectangle net GND: 4.318,45.796 17.049,53.797
  rectangle net GND: 38.908,45.949 52.121,53.797
  rectangle net VCC: 32.563,14.554 36.373,15.977
  rectangle net VCC: 11.354,9.703 12.649,12.7
  pour cut-out: 17.094,1.803 17.61,1.854 17.61,2.946 17.145,2.54
  pour cut-out: 39.289,56.439 39.289,53.797 52.451,53.797 52.451,54.051 41.3,54.051 41.25,54.102 41.25,56.439
  pour cut-out: 14.199,53.619 16.967,53.619 16.967,56.49 14.834,56.49 14.834,54.204 14.275,54.204 14.199,54.28

## Silkscreen, mask and mechanical layers (free items; w line width, h text height)
Top Overlay:
  circle w5: c28.829,27.711 r2.708
  text "PIR_Sensor  Ver1.3.1" at 17.853,53.442 h1.78
  text "Nov2023" at 17.983,51.918 h1.78
  text "B" at 38.362,51.054 h1.58
  text "A" at 38.202,47.65 h1.58
  text "+12" at 1.651,45.161 h1.58
  text "GND" at 6.706,45.161 h1.58
  text "TAMPER" at 11.354,45.171 h1.58
  text "TAMPER" at 40.284,45.171 h1.58
  text "OUTPUT" at 48.387,45.161 h1.58
  text "+" at 28.118,44.653 h2.03
  text "1P" at 43.383,34.254 h1.58
  text "Auto" at 45.644,34.265 h1.58
Mechanical 3:
  lines w1.5: 21.361,17.883 21.361,39.905 36.321,39.905 36.321,17.883 21.361,17.883
  lines w3: 28.55,46.126 28.55,49.127
Mechanical 15:
  lines w0.254: 0.025,47.51 0.025,7.341 7.849,7.341 7.849,4.247 16.713,4.247 16.713,1.747 7.849,1.747 7.849,0.003 56.591,0.003 56.591,47.498 52.655,54.686 41.758,54.686 41.758,57.023 14.453,57.023 14.453,54.686 3.556,54.686 0.029,47.51
  text "Thickness : 1.6MM" at 11.125,63.623 h5.08

## Dimensions
14.453,57.023 to 0,0 on Mechanical 15
0.025,47.51 to 56.591,47.498 on Mechanical 15

## Text inside footprints (layer, text, board x,y; h text height)
Q1: Top Overlay "B" at 33.899,42.496 h1.57 r90; Top Overlay "E" at 33.899,44.401 h1.57 r90; Top Overlay "C" at 33.894,43.436 h1.57 r90
SW1: Top Overlay "C" at 8.201,31.659 h1.65; Top Overlay "NO" at 13.099,31.657 h1.65; Top Overlay "NC" at 18.287,31.659 h1.65